# Altium PCB 10X SD CARD READER PCB.PcbDoc (part 1 of 4) (continued)
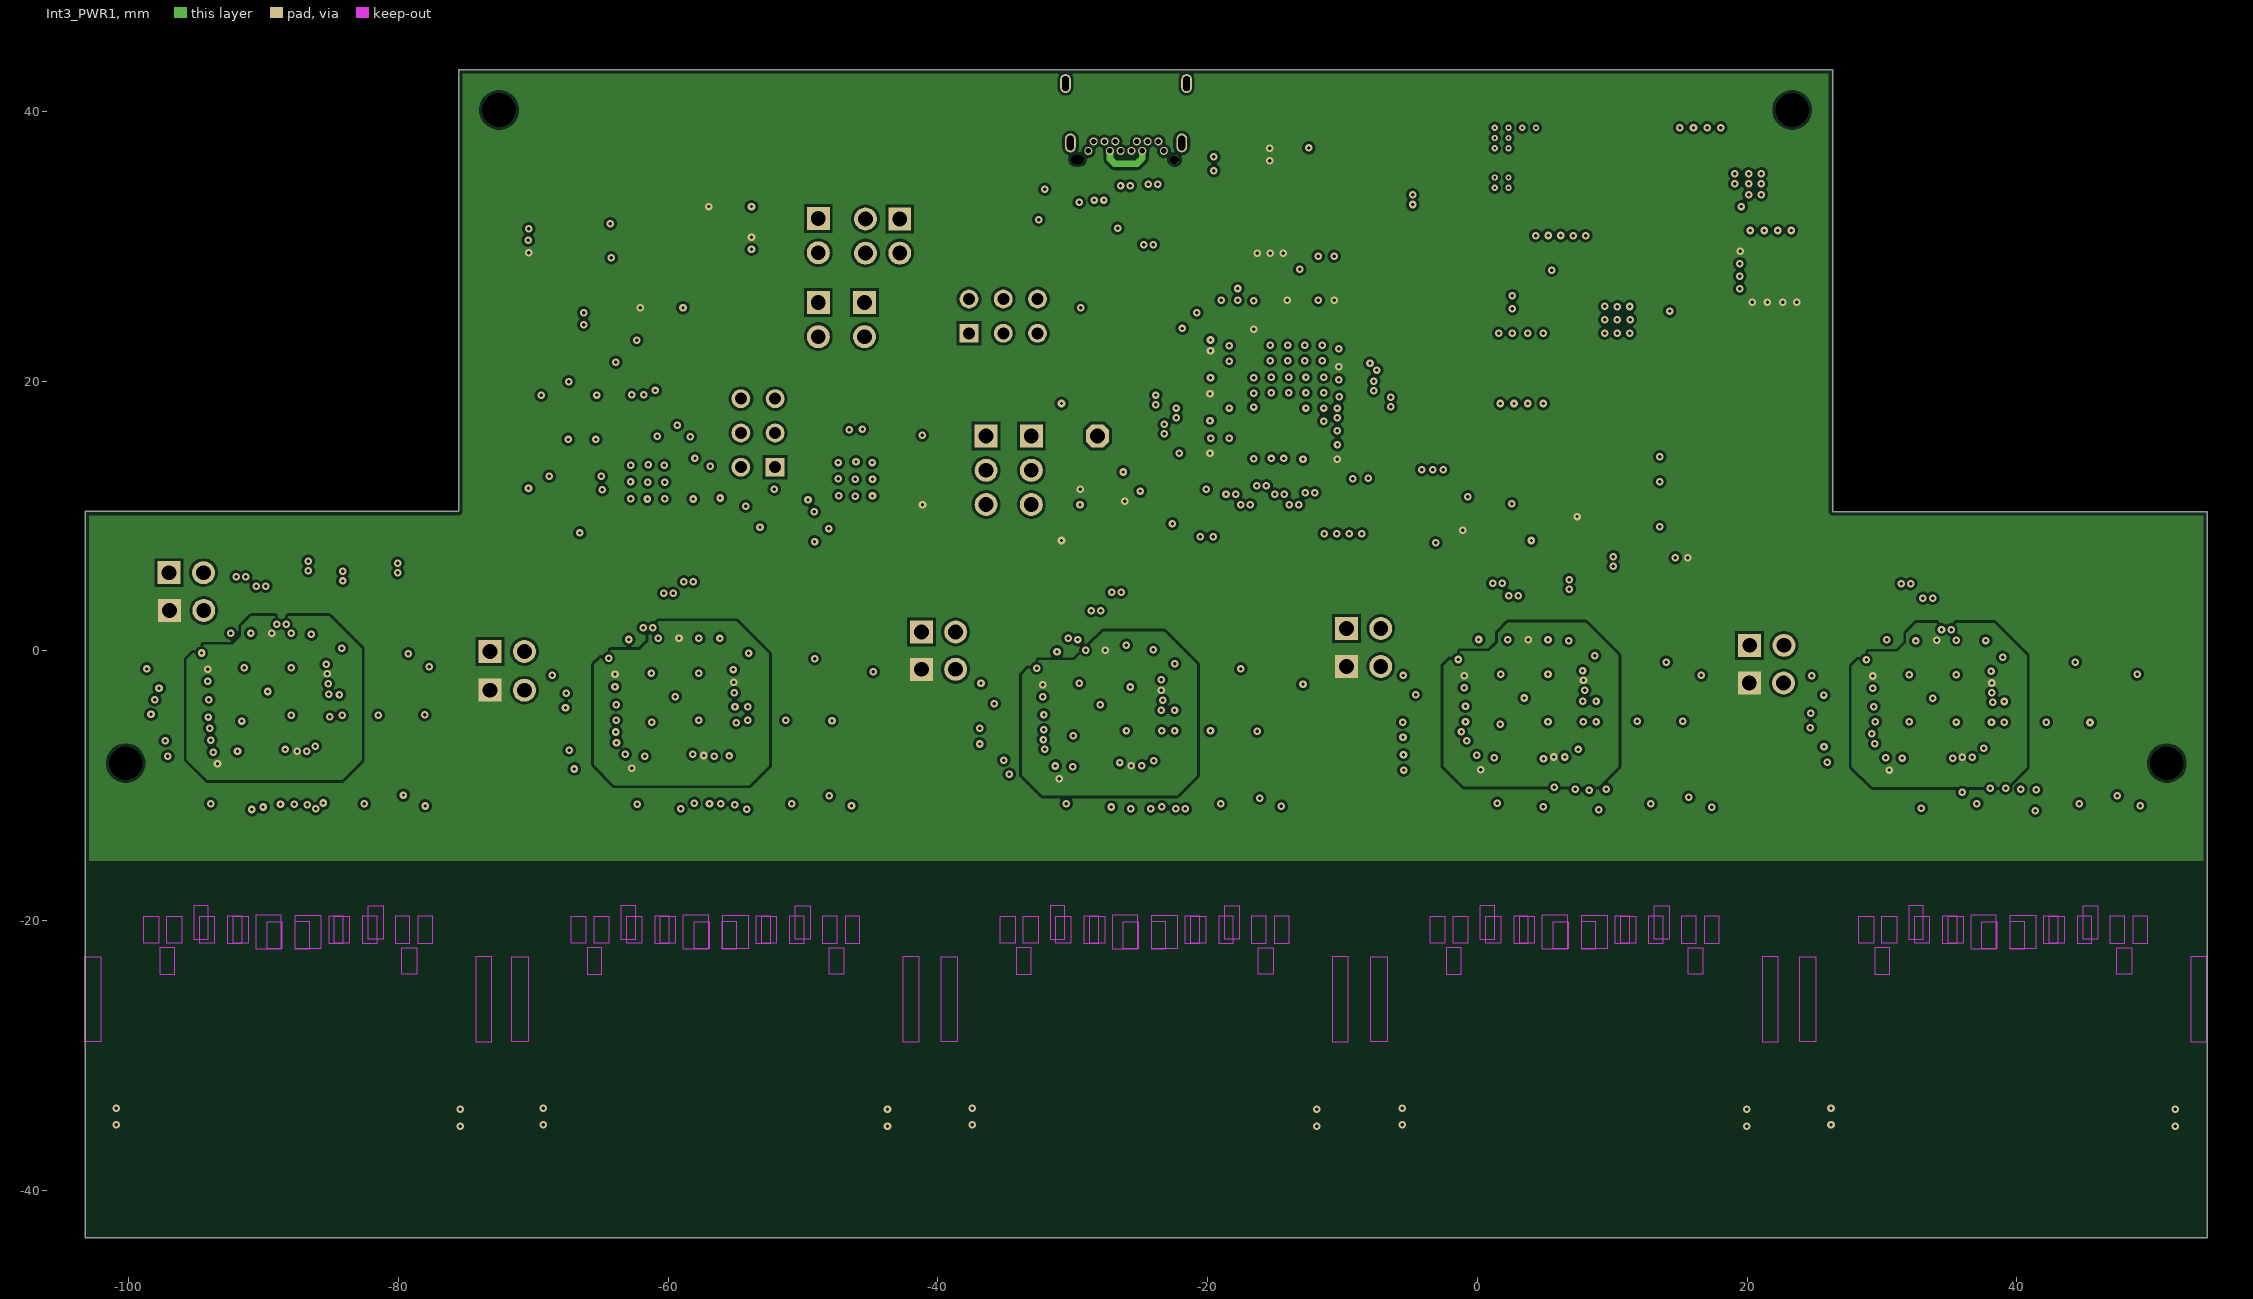
[diagram p4: Int3_PWR1]
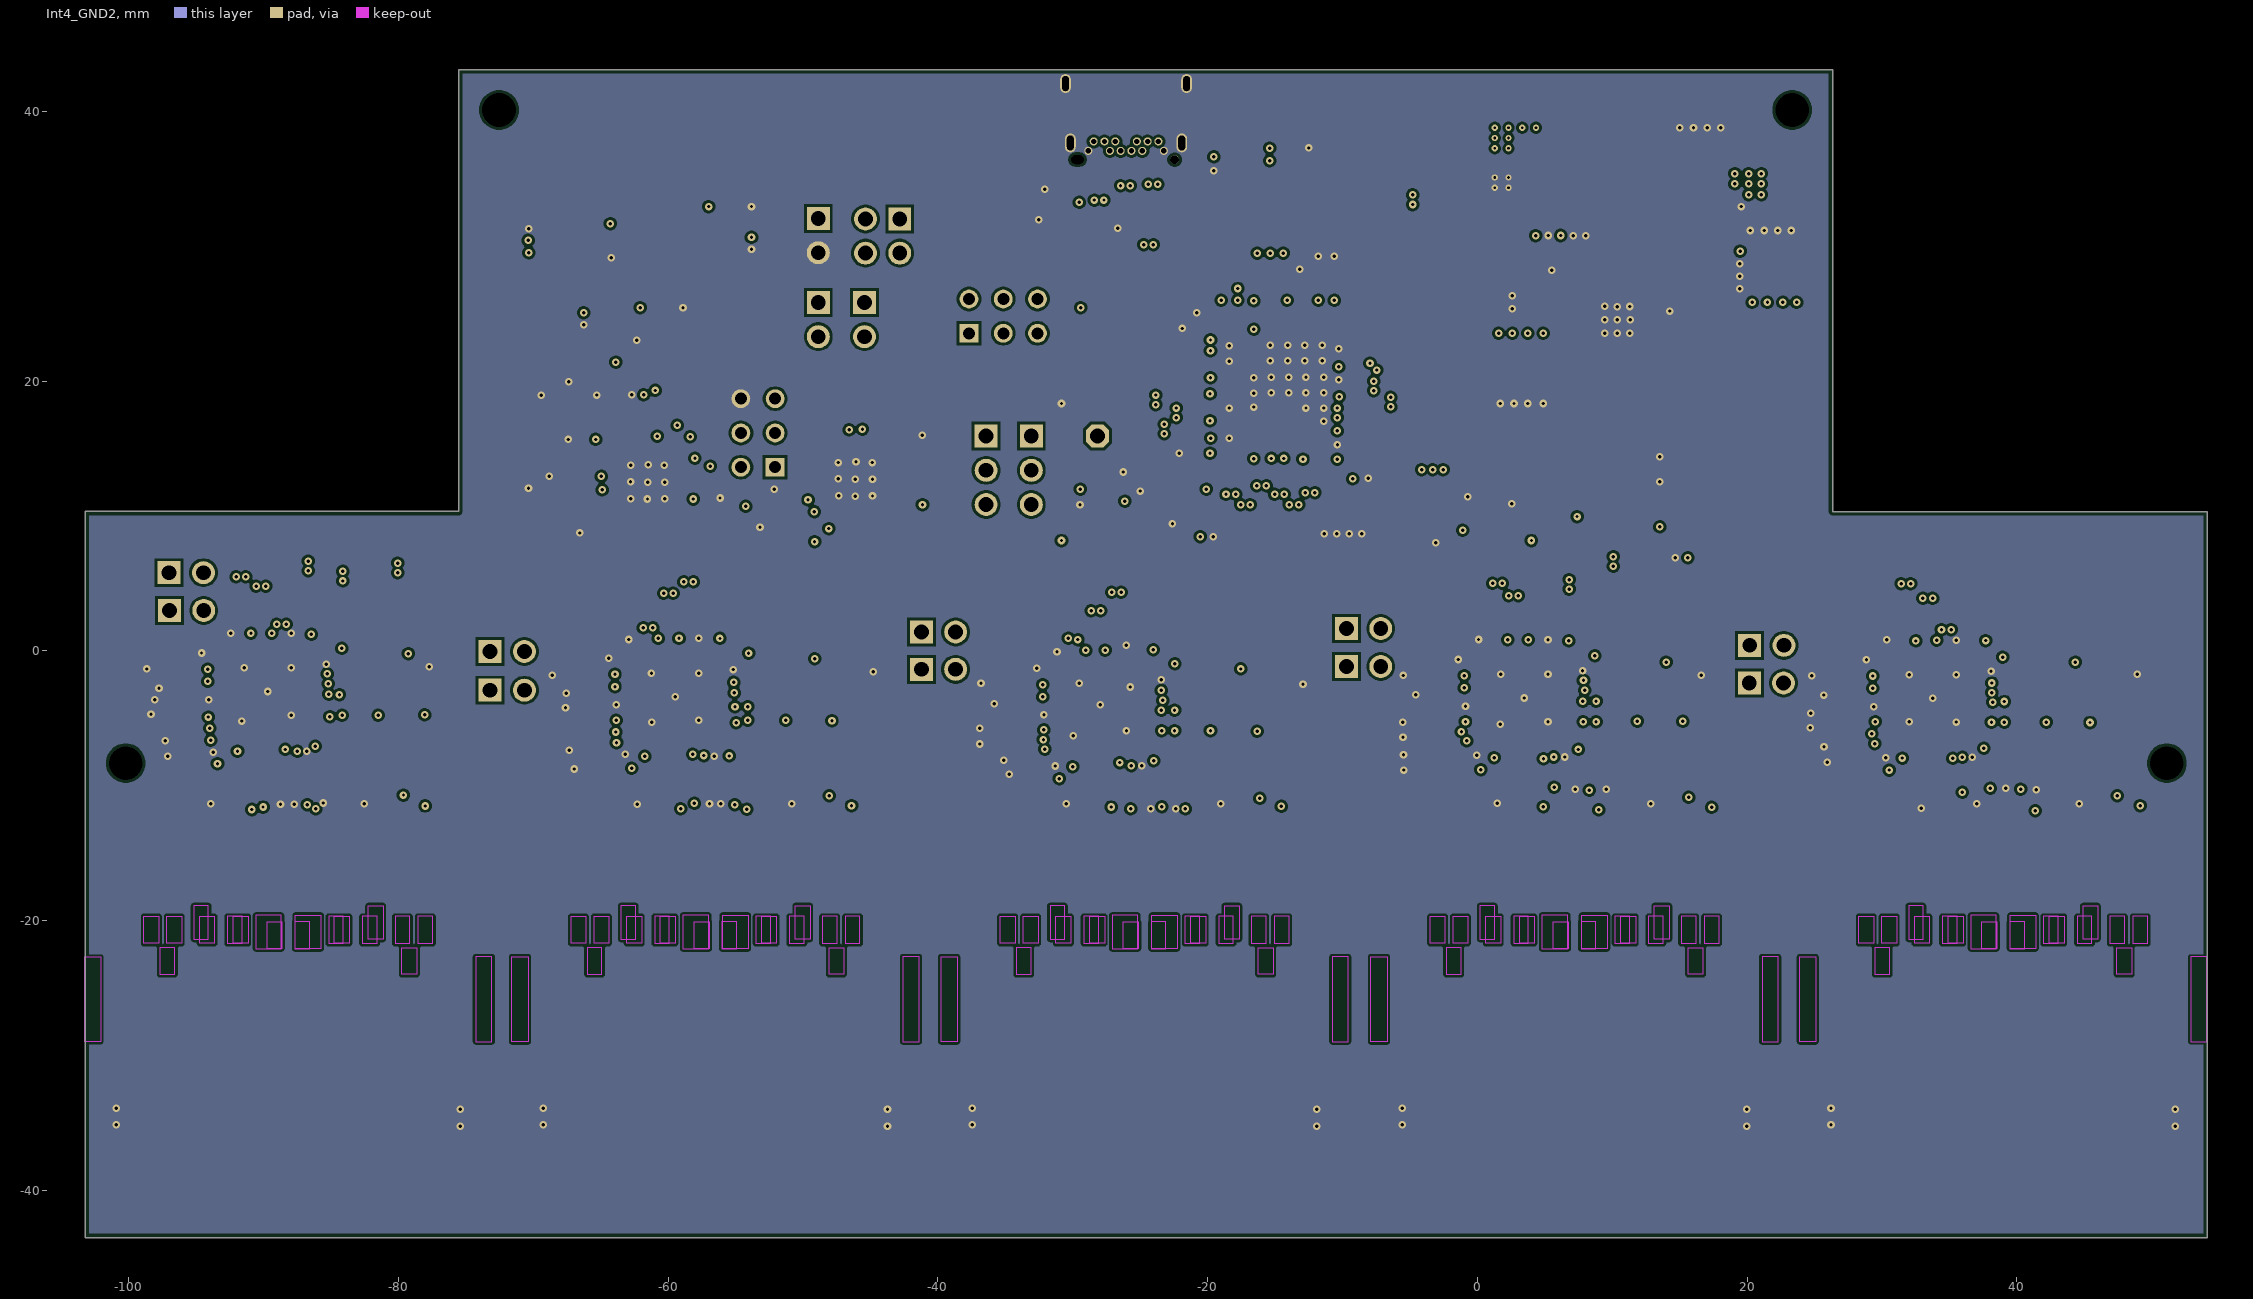
[diagram p5: Int4_GND2]
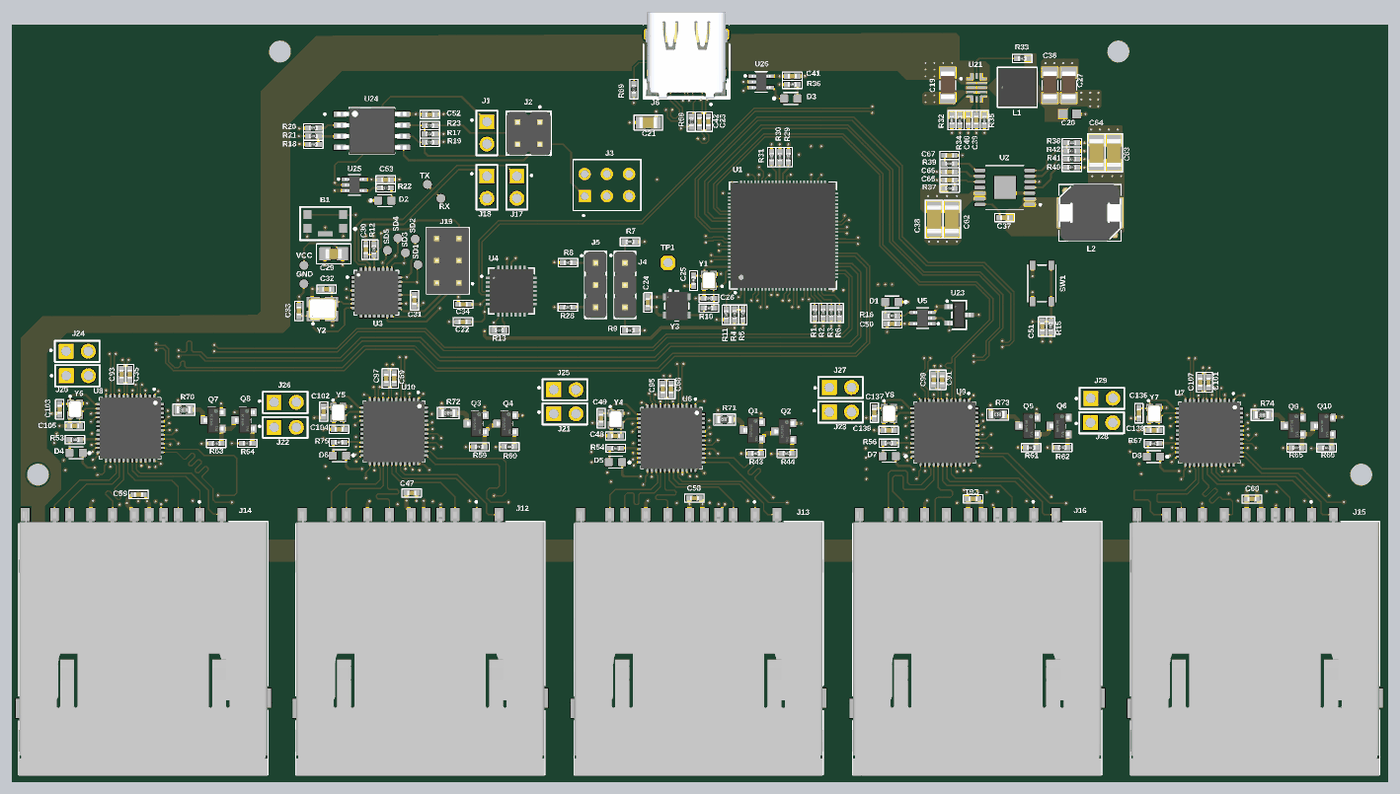
[diagram p9: 3D render of the assembled board from above, using the file's embedded part models]
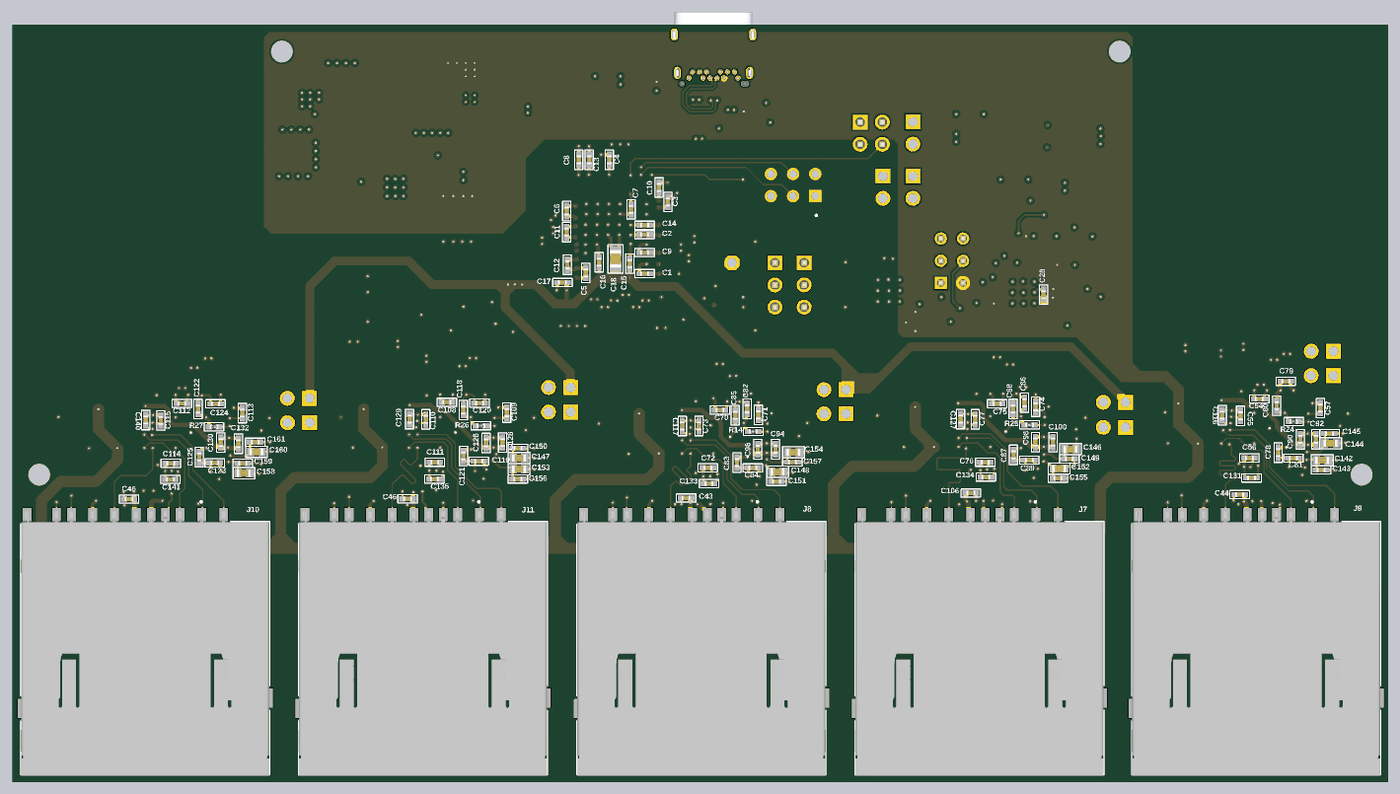
[diagram p10: 3D render of the assembled board from below, using the file's embedded part models]

## Layer stack, top to bottom
Top Solder: solder mask 0.0254, SM-001, Dk 4
Top Layer: signal copper 0.0351
Dielectric 2: prepreg 0.0993, PP-015, Dk 4.3
Int1_GND1: signal copper 0.0152
Dielectric 1: core 0.5499, Core-037, Dk 4.8
Int2 Sig1: signal copper 0.0152
Dielectric 3: prepreg 0.1087, PP-016, Dk 4.4
Int3_PWR1: signal copper 0.0152
Dielectric 5: core 0.5499, Core-037, Dk 4.8
Int4_GND2: signal copper 0.0152
Dielectric 4: prepreg 0.0993, PP-015, Dk 4.3
Bottom Layer: signal copper 0.0351
Bottom Solder: solder mask 0.0254, SM-001, Dk 4

## Board outline
-103.226,-43.51 -103.226,10.338 -75.54,10.338 -75.54,43.104 26.349,43.104 26.349,10.328 54.127,10.328 54.127,-43.51

## Design rules (kind name [scope] priority, off if disabled: settings)
BoardOutlineClearance [All] p1: gap=0 ignorepadtopadclearanceinfootprint=FALSE except(0.305: Poly-OutlineEdge)
Clearance [All] p1: gap=0.152 ignorepadtopadclearanceinfootprint=TRUE except(0.203: Arc-Fill Arc-Poly Arc-Region Track-Fill Track-Poly Track-Region SMDPad-Fill SMDPad-Poly SMDPad-Region THPad-Fill THPad-Poly THPad-Region Via-Fill Via-Poly Via-Region Fill-Fill Fill-Poly Fill-Region Poly-Poly Poly-Region Region-Region)
ComponentClearance [All] p1: gap=0 collisioncheckmode=3 verticalgap=2540 showdistances=FALSE
DiffPairsRouting 90Ohm [InDifferentialPairClass('Diff_90R')] p1: maxlimit=0.203 minlimit=0.203 mostfreqgap=0.203 toplayer_minwidth=0.158 toplayer_maxwidth=0.158 toplayer_prefwidth=0.158 midlayer1_minwidth=0.135 midlayer1_maxwidth=0.135 midlayer1_prefwidth=0.135 midlayer2_minwidth=0.135 midlayer2_maxwidth=0.135 midlayer2_prefwidth=0.135 midlayer3_minwidth=0.135 midlayer3_maxwidth=0.135 midlayer3_prefwidth=0.135 midlayer4_minwidth=0.135 midlayer4_maxwidth=0.135 midlayer4_prefwidth=0.135 bottomlayer_minwidth=0.158 bottomlayer_maxwidth=0.158 bottomlayer_prefwidth=0.158 maxuncoupledlength=12.7
Height [All] p1: minheight=0 maxheight=254 prefheight=12.7
HoleSize [All] p1: absolutevalues=TRUE maxlimit=254 minlimit=0.025 maxpercent=80.000 minpercent=20.000
MatchedLengths P/N_Matching [InDifferentialPairClass('All Differential Pairs')] p1: tolerance=0.127 checknetsindiffpair=TRUE checkdiffpairvsdiffpair=FALSE checkxsignals=FALSE checkothers=FALSE
MatchedLengths SD_Card10 [InNetClass('SD_Card10')] p2: tolerance=5.08 checknetsindiffpair=FALSE checkdiffpairvsdiffpair=TRUE checkxsignals=TRUE checkothers=TRUE
MatchedLengths SD_Card9 [InNetClass('SD_Card9')] p3: tolerance=5.08 checknetsindiffpair=FALSE checkdiffpairvsdiffpair=TRUE checkxsignals=TRUE checkothers=TRUE
MatchedLengths SD_Card8 [InNetClass('SD_Card8')] p4: tolerance=5.08 checknetsindiffpair=FALSE checkdiffpairvsdiffpair=TRUE checkxsignals=TRUE checkothers=TRUE
MatchedLengths SD_Card7 [InNetClass('SD_Card7')] p5: tolerance=5.08 checknetsindiffpair=FALSE checkdiffpairvsdiffpair=TRUE checkxsignals=TRUE checkothers=TRUE
MatchedLengths SD_Card6 [InNetClass('SD_Card6')] p6: tolerance=5.08 checknetsindiffpair=FALSE checkdiffpairvsdiffpair=TRUE checkxsignals=TRUE checkothers=TRUE
MatchedLengths SD_Card5 [InNetClass('SD_Card5')] p7: tolerance=5.08 checknetsindiffpair=FALSE checkdiffpairvsdiffpair=TRUE checkxsignals=TRUE checkothers=TRUE
MatchedLengths SD_Card4 [InNetClass('SD_Card4')] p8: tolerance=5.08 checknetsindiffpair=FALSE checkdiffpairvsdiffpair=TRUE checkxsignals=TRUE checkothers=TRUE
MatchedLengths SD_Card3 [InNetClass('SD_Card3')] p9: tolerance=5.08 checknetsindiffpair=FALSE checkdiffpairvsdiffpair=TRUE checkxsignals=TRUE checkothers=TRUE
MatchedLengths SD_Card2 [InNetClass('SD_Card2')] p10: tolerance=5.08 checknetsindiffpair=FALSE checkdiffpairvsdiffpair=TRUE checkxsignals=TRUE checkothers=TRUE
MatchedLengths SD_Card1 [InNetClass('SD_Card1')] p11: tolerance=5.08 checknetsindiffpair=FALSE checkdiffpairvsdiffpair=TRUE checkxsignals=TRUE checkothers=TRUE
MinimumSolderMaskSliver [All] p1: minsoldermaskwidth=0
PolygonConnect [All] p1: connectstyle=Direct reliefconductorwidth=0.254 reliefentries=4 polygonreliefangle="90 Angle" airgapwidth=0.254
RoutingVias [All] p1: holewidth=0.254 width=0.559 viastyle="Through Hole" minholewidth=0.254 minwidth=0.559 maxholewidth=0.254 maxwidth=0.559
SilkToSilkClearance [All] p1: silktosilkclearance=0
SilkToSolderMaskClearance [IsPad] p1: minsilkscreentomaskgap=0 clearancetoexposedcopper=TRUE
SolderMaskExpansion [All] p1: expansion=0.102 istentingtop=FALSE
Width [All] p1: maxlimit=2.54 minlimit=0.102 preferedwidth=0.203
23 further rules are at their usual default settings.

## Classes and differential pairs
differential pair class Diff_90R: TX USB2.0_DN_PORT1 USB2.0_DN_PORT2 USB2.0_DN_PORT3 USB2.0_DN_PORT4 USB2.0_DN_PORT5 USB2.0_DN_PORT6 USB2.0_UP_D USB3.0_DN_PORT1_RX USB3.0_DN_PORT1_TX USB3.0_DN_PORT2_RX USB3.0_DN_PORT2_TX USB3.0_DN_PORT3_RX USB3.0_DN_PORT3_TX USB3.0_DN_PORT4_RX USB3.0_DN_PORT4_TX USB3.0_DN_PORT5_RX USB3.0_DN_PORT5_TX USB3.0_UP_RXD USB3.0_UP_TXD
component class "10X SD CARD READER SCH SHEET 4": C19 C20 C27 C36 C37 C38 C39 C40 C62 C63 C64 C65 C66 C67 L1 L2 R32 R33 R34 R35 R37 R38 R39 R40 R41 R42 U2 U21
component class "10X SD CARD READER SCH SHEET 2": A1 B1 C22 C28 C29 C30 C31 C32 C33 C34 FL1 GND J17 J18 J19 L3 L4 R12 R13 R88 R89 R90 RX SD1 SD2 SD3 SD4 SD5 TX U3 U4 U11 VCC X1 Y2
net class 50R: SD1_CLK SD1_CMD SD1_D0 SD1_D1 SD1_D2 SD1_D3 SD2_CLK SD2_CMD SD2_D0 SD2_D1 SD2_D2 SD2_D3 SD3_CLK SD3_CMD SD3_D0 SD3_D1 SD3_D2 SD3_D3 SD4_CLK SD4_CMD SD4_D0 SD4_D1 SD4_D2 SD4_D3 SD5_CLK SD5_CMD SD5_D0 SD5_D1 SD5_D2 SD5_D3 SD6_CLK SD6_CMD SD6_D0 SD6_D1 SD6_D2 SD6_D3 SD7_CLK SD7_CMD SD7_D0 SD7_D1 SD7_D2 SD7_D3 SD8_CLK SD8_CMD SD8_D0 SD8_D1 SD8_D2 SD8_D3 SD9_CLK SD9_CMD SD9_D0 SD9_D1 SD9_D2 SD9_D3 SD10_CLK SD10_CMD SD10_D0 SD10_D1 SD10_D2 SD10_D3
component class "10X SD CARD READER SCH SHEET 3": C35 C43 C44 C45 C46 C47 C48 C49 C54 C55 C56 C57 C58 C59 C60 C61 C68 C69 C70 C71 C72 C73 C74 C75 C76 C77 C78 C79 C80 C81 C82 C83 C84 C85 C86 C87 C88 C89 C90 C91 C92 C93 C94 C95 C96 C97 C98 C99 C100 C101 C102 C103 C104 C105 C106 C107 C108 C109 C110 C111 C112 C113 C114 C115 C116 C117 C118 C119 C120 C121 C122 C123 C124 C125 C126 C127 C128 C129 C130 C131 C132 C133 C134 C135 C136 C137 C138 C139 C140 C141 C142 C143 C144 C145 C146 C147 C148 C149 C150 C151 C152 C153 C154 C155 C156 C157 C158 C159 C160 C161 D4 D5 D6 D7 D8 J7 J8 J9 J10 J11 J12 J13 J14 J15 J16 J20 J21 J22 J23 J24 J25 J26 J27 J28 J29 Q1 Q2 Q3 Q4 Q5 Q6 Q7 Q8 Q9 Q10 R14 R24 R25 R26 R27 R43 R44 R53 R54 R56 R59 R60 R61 R62 R63 R64 R65 R66 R67 R70 R71 R72 R73 R74 R75 U6 U7 U8 U9 U10 Y4 Y5 Y6 Y7 Y8
component class "10X SD CARD READER SCH SHEET 1": C1 C2 C3 C4 C5 C6 C7 C8 C9 C10 C11 C12 C13 C14 C15 C16 C17 C18 C21 C23 C24 C25 C26 C41 C42 C50 C51 C52 C53 D1 D2 D3 J1 J2 J3 J4 J5 J6 R1 R2 R3 R4 R5 R6 R7 R8 R9 R10 R11 R15 R16 R17 R18 R19 R20 R21 R22 R23 R28 R29 R30 R31 R36 R68 R69 SW1 TP1 U1 U5 U23 U24 U25 U26 Y1 Y3
differential pair USB3.0_UP_TXD: +USB3.0_UP_TXD_P -USB3.0_UP_TXD_N
differential pair USB3.0_UP_RXD: +USB3.0_UP_RXD_P -USB3.0_UP_RXD_N
differential pair USB3.0_DN_PORT5_TX: +USB3.0_DN_PORT5_TX_P -USB3.0_DN_PORT5_TX_N
differential pair USB3.0_DN_PORT5_RX: +USB3.0_DN_PORT5_RX_P -USB3.0_DN_PORT5_RX_N
differential pair USB3.0_DN_PORT4_TX: +USB3.0_DN_PORT4_TX_P -USB3.0_DN_PORT4_TX_N
differential pair USB3.0_DN_PORT4_RX: +USB3.0_DN_PORT4_RX_P -USB3.0_DN_PORT4_RX_N
differential pair USB3.0_DN_PORT3_TX: +USB3.0_DN_PORT3_TX_P -USB3.0_DN_PORT3_TX_N
differential pair USB3.0_DN_PORT3_RX: +USB3.0_DN_PORT3_RX_P -USB3.0_DN_PORT3_RX_N
differential pair USB3.0_DN_PORT2_TX: +USB3.0_DN_PORT2_TX_P -USB3.0_DN_PORT2_TX_N
differential pair USB3.0_DN_PORT2_RX: +USB3.0_DN_PORT2_RX_P -USB3.0_DN_PORT2_RX_N
differential pair USB3.0_DN_PORT1_TX: +USB3.0_DN_PORT1_TX_P -USB3.0_DN_PORT1_TX_N
differential pair USB3.0_DN_PORT1_RX: +USB3.0_DN_PORT1_RX_P -USB3.0_DN_PORT1_RX_N
differential pair USB2.0_UP_D: +USB2.0_UP_D_P -USB2.0_UP_D_N
differential pair USB2.0_DN_PORT6: +USB2.0_DN_PORT6_P -USB2.0_DN_PORT6_N
differential pair USB2.0_DN_PORT5: +USB2.0_DN_PORT5_P -USB2.0_DN_PORT5_N
differential pair USB2.0_DN_PORT4: +USB2.0_DN_PORT4_P -USB2.0_DN_PORT4_N
differential pair USB2.0_DN_PORT3: +USB2.0_DN_PORT3_P -USB2.0_DN_PORT3_N
differential pair USB2.0_DN_PORT2: +USB2.0_DN_PORT2_P -USB2.0_DN_PORT2_N
differential pair USB2.0_DN_PORT1: +USB2.0_DN_PORT1_P -USB2.0_DN_PORT1_N
differential pair TX: +TX_P -TX_N

## Components (designator, comment, footprint, x,y, rotation, side; value= is the part's Value field where it differs from the comment)
B1 "KMR211GLFS" FP-KMR211GLFS-MFG -67.361,20.653 r180 top
C1 "0.1uF" C-0402/1005 -18.136,14.656 r180 bottom
C2 "0.1uF" C-0402/1005 -18.136,19.122 r180 bottom
C3 "0.1uF" C-0402/1005 -20.803,22.911 r270 bottom
C4 "0.1uF" C-0402/1005 -14.108,27.737 r270 bottom
C5 "0.1uF" C-0402/1005 -11.405,14.783 r270 bottom
C6 "0.1uF" C-0402/1005 -9.223,21.86 r270 bottom
C7 "0.1uF" C-0402/1005 -16.633,22.022 r90 bottom
C8 "0.1uF" C-0402/1005 -10.601,27.737 r270 bottom
C9 "0.1uF" C-0402/1005 -18.136,17.069 r180 bottom
C10 "0.1uF" C-0402/1005 -19.787,24.562 r270 bottom
C11 "0.1uF" C-0402/1005 -9.21,19.447 r270 bottom
C12 "0.1uF" C-0402/1005 -9.338,15.672 r90 bottom
C13 "0.1uF" C-0402/1005 -11.786,27.737 r270 bottom
C14 "0.1uF" C-0402/1005 -18.182,20.244 r0 bottom
C15 "0.1uF" C-0402/1005 -16.485,15.799 r90 bottom
C16 "0.1uF" C-0402/1005 -12.929,16.003 r270 bottom
C17 "0.1uF" C-0402/1005 -8.738,13.64 r180 bottom
C18 "10uF" C-0805/2012 -14.834,16.349 r270 bottom
C19 "22uF" CAPC3216X180N 3.835,36.246 r90 top value=0.1uF
C20 "10uF" CAPC1608X100N 17.805,32.944 r180 top value=0.1uF
C21 "10uF" C-0805/2012 -30.404,31.979 r0 top value=0.1uF
C22 "1uF" C-0402/1005 -51.587,9.195 r180 top value=4.7uF
C23 "0.1uF" C-0402/1005 -23.517,32.055 r90 top
C24 "0.1uF" C-0402/1005 -30.455,11.354 r90 top
C25 "DNP" R-0402/1005 -25.248,13.894 r270 top value=0.1uF
C26 "DNP" R-0402/1005 -23.47,11.862 r180 top value=0.1uF
C27 "22uF" CAPC3216X180N 17.678,36.246 r270 top value=0.1uF
C28 "0.1Uf" C-0402/1005 -63.856,12.243 r90 bottom value=100nF
C29 "4.7uF" 0805-CAP -66.396,16.942 r0 top
C30 "0.1uF" C-0402/1005 -62.748,17.449 r270 top
C31 "0.1uF" C-0402/1005 -57.125,11.608 r90 top
C32 "18pF" C-0402/1005 -67.183,12.929 r180 top value=0.1uF
C33 "18pF" C-0402/1005 -70.358,10.389 r90 top value=0.1uF
C34 "0.1uF" C-0402/1005 -51.553,11.187 r180 top value=4.7uF
C35 "0.1uF" C-0402/1005 -89.753,3.188 r270 top
C36 "22uF" CAPC3216X180N 15.519,36.246 r270 top value=0.1uF
C37 "0.1uF" C-0402/1005 10.361,21.114 r180 top
C38 "10uF" C-1206/3216 2.337,20.879 r90 top
C39 "0.1uF" C-0402/1005 7.079,32.274 r270 top value=0.0047uF
C40 "0.1uF" C-0402/1005 6.193,32.227 r90 top value=10pF
C41 "0.1uF" C-0402/1005 -13.924,37.304 r180 top
C42 "0.1uF" C-0402/1005 -24.533,32.055 r90 top
C43 "0.1uF" C-0402/1005 -22.883,-11.035 r180 bottom
C44 "0.1uF" C-0402/1005 -86.243,-10.64 r180 bottom
C45 "0.1uF" C-0402/1005 40.869,-11.151 r180 bottom
C46 "0.1uF" C-0402/1005 8.992,-11.125 r180 bottom
C47 "0.1uF" C-0402/1005 -57.455,-10.414 r180 top
C48 "10pF" C-0402/1005 -34.138,-3.886 r180 top value=0.1uF
C49 "10pF" C-0402/1005 -35.837,-1.854 r270 top value=0.1uF
C50 "0.1uF" C-0402/1005 -2.547,8.918 r0 top
C51 "0.1uF" C-0402/1005 14.694,8.588 r90 top value=DNP
C52 "0.1uF" C-0402/1005 -55.38,32.913 r180 top
C53 "0.1uF" C-0402/1005 -60.427,25.451 r180 top
C54 "1uF" C-0402/1005 -88.494,0.305 r180 bottom value=0.1uF
C55 "1uF" C-0402/1005 -86.348,-1.581 r270 bottom value=0.1uF
C56 "0.1uF" C-0402/1005 -87.351,-6.449 r180 bottom
C57 "0.1uF" C-0402/1005 -95.479,-0.686 r270 bottom
C58 "0.1uF" C-0402/1005 -25.121,-10.998 r180 top
C59 "0.1uF" C-0402/1005 -88.697,-10.592 r180 top
C60 "0.1uF" C-0402/1005 38.649,-11.103 r180 top
C61 "0.1uF" C-0402/1005 6.756,-11.074 r180 top
C62 "10uF" C-1206/3216 4.364,20.879 r90 top
C63 "22uF" C-1206/3216 22.895,28.486 r90 top value=100nF
C64 "22uF" C-1206/3216 20.894,28.486 r90 top value=100nF
C65 "470pF" C-0402/1005 4.026,25.356 r0 top
C66 "560pF" C-0402/1005 4.026,26.315 r0 top
C67 "3.3nF" C-0402/1005 4.068,28.234 r180 top
C68 "0.1uF" C-0402/1005 -27.836,1.49 r270 top
C69 "0.1uF" C-0402/1005 -59.487,2.706 r270 top
C70 "1uF" C-0402/1005 -26.763,-0.961 r180 bottom value=0.1uF
C71 "1uF" C-0402/1005 -31.163,-1.473 r270 bottom value=0.1uF
C72 "0.1uF" C-0402/1005 -25.375,-7.569 r180 bottom
C73 "0.1uF" C-0402/1005 -24.359,-2.743 r270 bottom
C74 "1uF" C-0402/1005 -62.89,-0.544 r270 bottom value=0.1uF
C75 "1uF" C-0402/1005 -58.484,-0.238 r180 bottom value=0.1uF
C76 "0.1uF" C-0402/1005 -57.125,-6.934 r180 bottom
C77 "0.1uF" C-0402/1005 -55.982,-1.981 r270 bottom
C78 "1uF" C-0402/1005 -90.653,-5.791 r270 bottom value=100pF
C79 "1uF" C-0402/1005 -91.568,2.375 r0 bottom value=100pF
C80 "0.1uF" C-0402/1005 -90.526,-0.457 r90 bottom value=100pF
C81 "0.1uF" C-0402/1005 -92.431,-6.426 r0 bottom value=100pF
C82 "1uF" C-0402/1005 -29.918,-0.822 r90 bottom value=100pF
C83 "1uF" C-0402/1005 -28.711,-6.934 r270 bottom value=100pF
C84 "0.1uF" C-0402/1005 -30.565,-7.534 r0 bottom value=100pF
C85 "0.1uF" C-0402/1005 -28.55,-1.561 r90 bottom value=100pF
C86 "1uF" C-0402/1005 -61.668,-0.11 r90 bottom value=100pF
C87 "1uF" C-0402/1005 -60.343,-6.045 r270 bottom value=100pF
C88 "0.1uF" C-0402/1005 -60.365,-0.838 r90 bottom value=100pF
C89 "0.1uF" C-0402/1005 -62.204,-6.645 r0 bottom value=100pF